# Altium PCB Netscale48HD_Sensorbar_Master.PcbDoc (part 4 of 5)
Units mil, origin at the board's own origin, x right, y up, seen from the top; angles counter-clockwise.
Board outline 18271.78 x 661.42 mil, 6 copper layers (Top Layer, PWR_Layer, Top_Signal_Layer, Bottom_Signal_Layer, GND_Layer, Bottom Layer), stack 30.644 mil thick; 300 components, 206 nets, 1127 pads, 560 vias.
Unrouted connection lines stored in the file: 11.
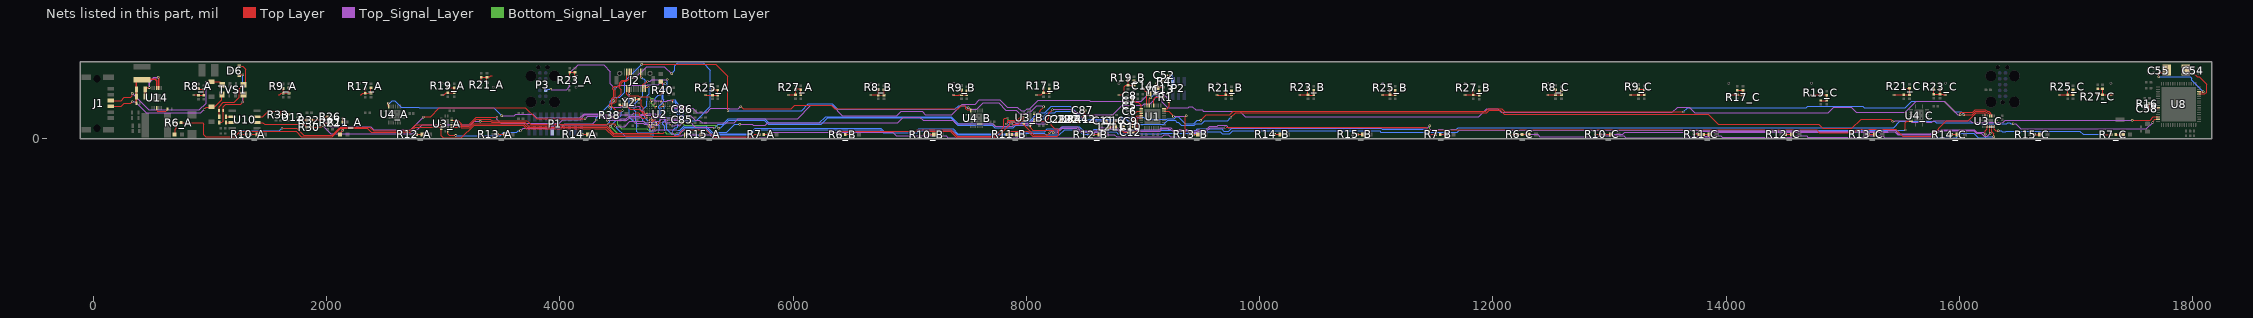
[diagram p8: the nets of this part, all layers, seen from the top]

## Via types
v1: diameter 19.68, hole 11.81, Top Layer to Bottom Layer, tented both sides, 265 vias
v2: diameter 21.65, hole 11.81, Top Layer to Bottom Layer, tented both sides, 108 vias
v3: diameter 9.84, hole 3.94, Top Layer to Bottom Layer, tented both sides, 103 vias
v4: diameter 19.68, hole 7.87, Top Layer to Bottom Layer, tented both sides, 51 vias
v5: diameter 23.62, hole 11.81, Top Layer to Bottom Layer, tented both sides, 24 vias
v6: diameter 21.65, hole 11.81, Top Layer to Bottom Layer, tented bottom, 9 vias

## Nets (pads, with @x,y where several pads share a name; then routed paths per layer and width w, separated by ;. In a path a pad name is that pad's centre, name@x,y a point inside that pad or via, vN(x,y) a via of type N, cw(c..) or ccw(c..) an arc to the next point about the centre after c; other vN are vias at no path point) (continued)
Led5_B: R11_B.1 U3_B.4 | length 1210.3
  Top Layer w6: v1(7828.45,127.6) 7828.45,127.68 7841.74,140.97 7841.74,154.35 7846.78,159.39 7920.47,159.39 7950.7,189.63 7978.19,189.63 U3_B.4@7978.44,189.88 ; R11_B.1@7834,37.44 7860.23,63.67 8012.11,63.67 8052.72,23.06 8262.93,23.06 8275.54,35.68 8275.54,72.76 8263.54,84.76 8245.21,84.76 8213.8,116.17 v1(8213.8,141.33)
  Top_Signal_Layer w6: v1(7828.45,127.6) 7848.34,147.49 7893.54,147.49 7909.11,131.92 8034.73,131.92 8051.69,148.88 8127.11,148.88 8127.81,148.19 8180.73,148.19 8187.59,141.33 v1(8213.8,141.33)
Led5_C: R11_C.1 U3_C.4 | length 2674.1
  Top Layer w6: v1(13720,42) 13761.65,42 R11_C.1@13766.25,37.4 ; v2(16220.17,40.95) 16220.33,41.11 16220.33,70.45 16238.05,88.17 U3_C.4@16238.05,104.95
  Top_Signal_Layer w6: v1(13720,42) 13743.27,42 13767.98,66.7 15382.68,66.7 15388.64,72.67 15448.13,72.67 15475.92,44.87 15752.14,44.87 15780.17,72.9 15836.73,72.9 15843.16,79.33 16127.22,79.33 16147.94,58.61 16202.51,58.61 v2(16220.17,40.95)
Led6_A: R10_A.1 U3_A.5 | length 1896.6
  Top Layer w6: v1(1260.08,37.61) 1260.29,37.4 R10_A.1@1310.32,37.4 ; v1(1618.53,90.8) 1746.61,90.8 1805.82,31.59 2047.44,31.59 2117.24,101.39 2369.4,101.39 2403.43,67.36 2711.5,67.36 2738.94,94.8 2764.22,120.08 U3_A.5@2984.2,120.08
  Bottom Layer w6: v1(1260.08,37.61) 1261.46,38.99 1261.46,56.46 1274,69 1596.73,69 v1(1618.53,90.8) v1@1618.91,90.42
Led6_B: R10_B.1 U3_B.5 | length 962.4
  Top Layer w6: R10_B.1@7125.54,37.05 7152.52,64.02 7347.34,64.02 7402.21,9.16 7745.22,9.16 7855.47,119.4 7855.47,134.63 7868.32,147.49 7933.61,147.49 7956.32,170.2 U3_B.5@7978.44,170.2
Led6_C: R10_C.1 U3_C.5 | length 3575.3
  Top Layer w6: v1(12879.03,37.4) R10_C.1@12919.11,37.4 ; U3_C.5@16257.73,104.95 16257.73,52.02 v2(16262.06,47.69)
  Top_Signal_Layer w6: v1(12879.03,37.4) 13114.35,37.4 13131.68,54.73 13634.73,54.73 13668.05,21.41 13850.39,21.41 13883.78,54.8 15387.61,54.8 15393.49,60.68 15443.28,60.68 15470.99,32.97 15757.07,32.97 15785.1,60.99 15841.66,60.99 15848.09,67.43 16122.29,67.43 16143.01,46.7 16186.51,46.7 16211.99,21.21 16235.58,21.21 v2(16262.06,47.69)
Led7_A: R6_A.1 U3_A.6 | length 2434.7
  Top Layer w6: R6_A.1@753.29,139.17 937.72,139.17 949.74,127.15 949.74,35.16 965.21,19.69 1215.64,19.69 1261.2,65.25 1740.31,65.25 1785.88,19.69 2051.09,19.69 2121.8,90.39 2347.86,90.39 2382.79,55.46 2716.44,55.46 2761.73,100.75 2832.53,100.75 2832.89,100.39 2970.23,100.39 ; 2970.28,100.44 2970.33,100.39 U3_A.6@2984.2,100.39
Led7_B: R6_B.1 U3_B.6 | length 1769.7
  Top Layer w6: R6_B.1@6407.29,37.05 6407.29,60.59 6412.11,65.41 7054.93,65.41 7065.45,75.93 7352.27,75.93 7407.14,21.06 7727.79,21.06 7804.4,97.67 7804.4,167.72 7813.46,176.77 7835.54,176.77 v1(7837.51,178.74) ; v1(7874.51,127.17) 7933.83,127.17 7956.32,149.66 7977.59,149.66 U3_B.6@7978.44,150.51
  Bottom_Signal_Layer w6: v1(7837.51,178.74) 7837.51,172.21 7873.77,135.95 7873.77,127.91 v1(7874.51,127.17)
Led7_C: R6_C.1 U3_C.6 | length 4376.4
  Top Layer w6: v1(12154.94,37.4) R6_C.1@12210.23,37.4 ; U3_C.6@16277.42,104.95 16277.42,60.24 16292.02,45.64 v2(16292.02,17.32)
  Top_Signal_Layer w6: v1(12154.94,37.4) 12382.09,37.4 12401.82,17.67 12899.26,17.67 12906.17,24.58 13122.36,24.58 13137.44,9.5 13855.32,9.5 13870.41,24.59 13953.25,24.59 13966.24,11.61 14561.52,11.61 14574.5,24.58 14688.8,24.58 14698.13,15.25 15168.23,15.25 15177.57,24.59 15342.56,24.59 15357.99,9.16 15766.94,9.16 15773.92,16.14 v1(15793.65,16.14)
  Bottom Layer w6: v1(15793.65,16.14) 15800.53,9.27 15973.2,9.27 16012.8,48.87 16121.29,48.87 16160.95,9.2 16221.43,9.2 16229.55,17.32 v2(16292.02,17.32)
Led8_A: R7_A.1 U3_A.7 | length 2935.9
  Top Layer w6: U3_A.7@2984.2,80.71 2984.2,26.37 3001.32,9.25 3157.51,9.25 3265.76,117.5 3684.82,117.5 3714.48,87.84 4391.55,87.84 4458.32,21.06 5015.81,21.06 5034.47,39.72 5034.47,51.77 5059.8,77.1 5257,77.1 5318.11,16 5648.27,16 5669.49,37.22 R7_A.1@5709.52,37.22
Led8_B: R7_B.1 U3_B.7 | length 3792.4
  Top Layer w6: U3_B.7@7978.44,124.92 7978.44,118.95 8062.4,34.99 8182.99,34.99 8201.19,53.19 v1(8201.19,55) ; U3_B.7@7978.44,130.83 U3_B.7@7984.35,130.83 ; v2(11456.79,25.59) 11456.79,29.83 11466.39,39.42 11507.36,39.42 R7_B.1@11509.38,37.4
  Top_Signal_Layer w6: v1(8201.19,55) 8207.97,55 8223.45,70.48 8268.68,70.48 8301.95,103.75 8434.5,103.75 8467.79,70.46 8603.69,70.46 8627.65,94.42 8779.77,94.42 8797.84,76.35 9136.68,76.35 9156.58,96.24 9222.24,96.24 9222.35,96.13 9239.66,96.13 9259.27,76.53 9308.88,76.53 9314.86,82.51 9380.51,82.51 9394.45,68.57 9461.23,68.57 9469,76.35 9539.07,76.35 9570.76,108.04 9636.91,108.04 9645.26,116.39 9711.41,116.39 9731.06,96.74 11441.72,96.74 v1(11456.79,111.81)
  Bottom_Signal_Layer w6: v2(11456.79,25.59) v1(11456.79,111.81)
Led8_C: R7_C.1 U3_C.7 | length 1047.6
  Top Layer w6: U3_C.7@16297.1,104.95 16297.15,105 16297.5,104.65 16297.5,82.72 16309.77,70.45 v1(16331.99,70.45) ; v1(17238.11,37.4) 17238.55,36.97 R7_C.1@17298.6,36.97
  Bottom Layer w6: v1(16331.99,70.45) 16355.2,70.45 16365.07,60.58 16394.86,60.58 16400.92,66.64 17032.34,66.64 17061.58,37.4 v1(17238.11,37.4)
LEDblue: R40.1 U2.B4 | length 140.2
  Top Layer w6: U2.B4@4807.6,298.43 4807.84,298.43 4817.68,308.27 v3(4817.92,308.27) ; v3(4861.39,375.65) 4862.12,376.39 4862.12,378.54 4879.66,396.08 4881.22,396.08 R40.1@4881.22,397.64
  Bottom Layer w6: v3(4817.92,308.27) 4817.92,348.14 4845.43,375.65 v3(4861.39,375.65)
LedCLK_A: U2.M2 U3_A.11 U3_B.11 U3_C.11 | length 14139.3
  Top Layer w6: U3_A.11@3074.75,100.39 3124.49,100.39 3130.84,106.75 3146.38,106.75 3156.06,97.06 3228.49,97.06 3260.83,129.4 3689.75,129.4 3719.41,99.74 4396.48,99.74 4463.25,32.97 v3(4783.88,32.97) ; U2.M2@4768.23,101.58 4768.23,101.41 4768.4,101.24 4768.57,101.24 v3@4784.02,85.78 ; U3_B.11@8068.99,150.51 8174.16,150.51 ; v1@8174.16,131.94 8174.16,150.51 ; v1(8224.12,248.76) 8193.46,218.09 8193.46,177.92 8174.16,158.61 8174.16,150.51 ; v2(16004.42,207.48) 16004.42,222.01 16011.48,229.06 16114.71,229.06 16135.19,249.54 16221.83,249.54 16235.88,235.49 16250.03,235.49 16277.42,208.11 U3_C.11@16277.42,196.96 ; U3_C.11@16274.51,198.41 16275.97,196.96 U3_C.11@16277.42,195.5
  Top_Signal_Layer w6: v3(4784.76,81.89) 4796.62,70.03 4822.77,70.03 4832.28,79.55 v3(5008.41,79.55) ; v1(5543.1,125.24) 5651.49,125.24 5658.62,118.12 5763.31,118.12 5782.95,137.76 6579.9,137.76 6580.64,138.5 6897.59,138.5 6945.82,186.73 7087.63,186.73 7114.97,159.39 7370.9,159.39 7400.03,130.26 7710.51,130.26 7732.35,108.42 7882.28,108.42 7893.88,120.02 8045.39,120.02 8062.35,136.98 8081.68,136.98 8090.41,128.25 v1(8174.16,128.25) ; v1@8220.74,252.76 8399.13,252.76 8438.85,213.04 8486.66,213.04 8493.76,205.93 8741.24,205.93 8822.96,287.66 8998.63,287.66 9010.61,299.64 9061.02,299.64 9099.06,337.68 9099.06,346.81 9118.47,366.21 9144.68,366.21 9165.6,345.29 9165.6,313.08 9213.1,265.58 9386.81,265.58 9397.55,276.32 9423.04,276.32 9451.23,248.13 9507.26,248.13 9517.1,238.28 9828.24,238.28 9878.27,188.25 11876.18,188.25 11945.23,257.3 12004.88,257.3 12005.14,257.03 12041.2,257.03 12072.09,226.14 13536.81,226.14 13583.51,272.84 13681.74,272.84 13728.9,225.67 14875.77,225.67 14919.29,269.19 15070.28,269.19 15112.71,226.76 15535.21,226.76 15630.54,322.09 15868.92,322.09 15983.43,207.58 15983.43,207.48 v2(16004.42,207.48)
  Bottom Layer w6: v3(4783.88,32.97) 4784.02,33.11 4784.02,81.15 v3(4784.76,81.89) ; v3(5008.41,79.55) 5013.85,74.11 5030.1,74.11 5066.26,110.28 5253.22,110.28 5306.61,56.88 5430.6,56.88 5498.96,125.24 v1(5543.1,125.24)
LedCLK_B: J2.19 U2.L2 | length 441.5
  Top Layer w6: J2.19@4732.28,431.1 4732.28,440.92 4735.19,443.83 v1(4761.21,443.83) ; v3(4757.99,111.42) 4758.98,111.42 4768.23,120.67 U2.L2@4768.23,121.26
  Bottom Layer w6: v3(4757.99,111.42) 4756.47,111.42 4711.18,156.71 4711.18,169.38 4699.28,181.28 4699.28,193.13 4712.66,206.51 4712.66,244.31 4717.29,248.94 4717.29,260.06 4725.39,268.16 4727.19,268.16 4744.25,285.22 4744.25,299.54 4744.12,299.67 4744.12,322.3 4751.96,330.14 4751.96,356.16 4751.25,356.87 4751.25,368.6 4767.83,385.19 v1@4767.83,442.91
LedDataIn_A: U2.M4 U3_A.14 | length 1953.5
  Top Layer w6: U3_A.14@3074.75,159.45 3127.35,159.45 3165.92,120.87 3218.62,120.87 3283.74,185.99 v1(3461.75,185.99) ; U2.M4@4807.6,101.58 4807.6,100.22 4812.09,95.73 4812.09,93.78 4819.01,86.87 v3(4819.01,85.83)
  Top_Signal_Layer w6: v1(3461.75,185.99) 3461.75,169.87 3496.03,135.58 3996.21,135.58 4025.05,164.42 4174.24,164.42 4214.39,204.57 4361.4,204.57 4376.59,189.37 v1(4461.92,189.37)
  Bottom_Signal_Layer w6: v1(4461.92,189.37) 4496.54,154.75 4496.54,120.5 4530.69,86.35 4747.53,86.35 4765.81,68.06 4806.23,68.06 4818.27,80.1 4818.27,85.09 v3(4819.01,85.83)
LedDataIn_B: U3_A.9 U3_B.14 | length 6088.3
  Top Layer w6: U3_A.9@3039.32,64.96 3039.32,44.15 3054.47,29 v2(3107.61,29) ; v1(4703.26,638.55) 5338.83,638.55 5441.34,536.05 v1(5441.34,241.73) ; U3_B.14@8068.99,209.57 8070.89,211.46 8084.45,211.46 8085.63,212.65 8097.75,212.65 8120.86,235.75 8120.86,244.24 8146.96,270.34 v2(8146.96,274.41)
  Top_Signal_Layer w6: v2(3663.09,68.87) 3687.13,92.9 4006.54,92.9 4042.01,128.37 4281.3,128.37 4313.42,160.49 v1(4313.42,161.02) ; v1(7501.25,266.54) 7502.33,266.54 7515.11,253.76 7573.59,253.76 7629.62,309.79 7761.83,309.79 7825.33,246.29 7912.6,246.29 7943.51,215.38 7997.59,215.38 8016.5,234.29 8038.1,234.29 8089.27,285.46 8131.66,285.46 8142.72,274.41 v2(8146.96,274.41)
  Bottom Layer w6: v2(3107.61,29) 3107.61,25.52 3107.35,25.26 3490.19,25.26 3520.99,56.06 3632.9,56.06 3645.72,68.87 v2(3663.09,68.87) ; v1(4313.42,161.02) 4313.42,181.55 4430.7,298.83 4430.7,320.09 4466.26,355.65 4516.1,355.65 4558.04,397.59 4558.04,493.33 v1(4703.26,638.55) ; v1(5441.34,241.73) 6072.88,241.73 6130.74,299.59 6334.6,299.59 6381.2,253 7387.73,253 7420.01,285.28 7472.29,285.28 7491.04,266.54 v1(7501.25,266.54)
LedDataIn_C: U3_B.9 U3_C.14 | length 8479.3
  Top Layer w6: U3_B.9@8033.56,109.17 8033.56,97.68 8055.65,75.59 8224.12,75.59 8229.14,70.57 8229.14,53.81 v1(8231.21,51.73) ; v1(9703.65,97.64) 11423.93,97.64 11445.64,75.93 14773.8,75.93 14796.66,53.07 15092.16,53.07 15121.81,82.72 15454.33,82.72 15513.79,23.26 15757.43,23.26 15887.54,153.38 16072.69,153.38 16144.91,225.59 16208.06,225.59 16218.36,215.28 U3_C.14@16218.36,195.5
  Top_Signal_Layer w6: v1(8231.21,51.73) 8266.77,51.73 8306.88,91.84 8429.57,91.84 8464.63,56.78 8606.85,56.78 8632.59,82.51 8774.84,82.51 8792.91,64.44 9141.61,64.44 9161.51,84.34 9217.31,84.34 9217.42,84.23 9234.73,84.23 9254.33,64.62 9313.81,64.62 9319.79,70.61 9375.58,70.61 9389.52,56.67 9466.16,56.67 9473.93,64.44 9544,64.44 9575.69,96.13 9702.14,96.13 v1(9703.65,97.64)
LedDataOut_C: U3_C.9
LEDDataOutMCU_B: J2.16 U2.K3 | length 939.6
  Top Layer w6: J2.16@4692.91,572.83 4692.91,532.85 v1(4699.38,526.38) ; U2.K3@4787.92,140.95 4805.14,158.17 4807.04,158.17 4807.09,158.22 4810.6,158.22 4817.09,164.71 4817.09,178.3 4815.03,180.35 v3(4815.03,200.39)
  Bottom Layer w6: v1(4699.38,526.38) 4711.15,514.61 4718.96,514.61 4732.3,501.28 4732.3,458.26 4710.35,436.31 4710.35,367.66 4639.48,296.8 4639.48,245.14 4653.31,231.32 4653.31,214.51 4651.66,212.85 4651.66,148.15 4659.09,140.72 4659.09,60.2 4665.47,53.82 4765.07,53.82 4770.93,59.68 4770.93,87.97 4783.72,100.76 4783.72,117.2 4791.89,125.38 4791.89,142.24 4806.98,157.33 4811.7,157.33 4819.84,165.47 4819.84,195.58 v3(4815.03,200.39)
LedLoad_A: U2.M3 U3_A.12 U3_B.12 U3_C.12 | length 14352.4
  Top Layer w6: U3_A.12@3074.75,120.08 3149.88,120.08 3160.99,108.97 3223.55,108.97 3284.32,169.73 3405.65,169.73 3422.17,153.21 3723.2,153.21 3752.84,123.57 4400.34,123.57 4405.32,128.56 4470.37,128.56 4477.67,121.25 v1(4477.67,105.12) ; U2.M3@4787.92,101.58 v3@4801.74,87.75 ; U3_B.12@8068.99,170.2 8105.73,170.2 v2(8128.06,192.52) ; v2(9493.8,157.72) 9542.89,206.81 9743.56,206.81 9772.49,235.74 11939.62,235.74 11961.18,257.3 12074.51,257.3 12101.53,230.28 v1(13631.8,230.28) ; v2(16037.12,206.53) 16109.01,206.53 16140.12,237.64 16216.9,237.64 16230.94,223.59 16243.52,223.59 16257.73,209.38 U3_C.12@16257.73,195.5
  Top_Signal_Layer w6: v1(4477.67,105.12) 4556.03,105.12 4599.73,148.82 4719.07,148.82 4731.13,136.76 4742.58,136.76 4742.97,137.15 4764.4,137.15 4772.18,144.93 4811.26,144.93 4811.75,145.42 4818.89,145.42 4823.03,149.56 4838.02,149.56 4853.01,149.56 4875.5,172.05 4886.95,172.05 4902.16,156.83 4906.37,156.83 4908.36,154.84 4919.91,154.84 4930.46,165.4 4952.05,165.4 4959.92,157.52 5016.9,157.52 5023.39,164.02 5074.15,164.02 5084.87,153.3 5109.75,153.3 5162.7,100.35 5314.28,100.35 5322.11,92.52 v1(5324.91,92.52)
  Bottom Layer w6: v1(4477.67,105.12) 4563.65,19.14 4798.96,19.14 4802.47,22.65 v3(4802.47,83.86) ; v1(5324.91,92.52) 5358.02,125.65 5397.31,125.65 5443.47,171.8 5755.9,171.8 5791.04,136.67 6224.75,136.67 6278.81,190.73 7357.6,190.73 7418.08,130.26 7711.39,130.26 7732.8,108.86 7836.22,108.86 7855.77,128.4 7855.77,134.93 7866.75,145.91 8022.84,145.91 8099.02,222.1 8128.33,222.1 ; v2(8128.06,192.52) 8128.33,192.79 8128.33,222.1 ; v2(9493.8,157.72) 9464.26,157.72 9434.64,128.1 9363.08,128.1 9303.93,187.25 9282.98,187.25 9269.3,173.57 9209.46,173.57 9204.66,168.78 9024.22,168.78 9007.02,185.97 8802.75,185.97 8784.28,167.5 8490.84,167.5 8441.07,217.27 8437.77,217.27 8376.43,278.62 8214.16,278.62 8157.64,222.1 8128.33,222.1 ; v1(13631.8,230.28) 13668.91,267.39 14684.71,267.39 14698.42,281.1 15170.93,281.1 15184.64,267.39 15534.54,267.39 15589.65,322.5 15869.6,322.5 15960.09,232.02 16015.59,232.02 16037.12,210.49 v2(16037.12,206.53)
LedLoad_B: J2.17 U2.L3 | length 775.4
  Top Layer w6: J2.17@4712.6,431.1 4712.6,464.26 4718.47,470.13 4721.32,470.13 4722.69,471.5 4729.5,471.5 v1(4752,494) ; v3(4778.06,131.1) U2.L3@4787.92,121.26
  Top_Signal_Layer w6: v1@4761.21,493.21 4773.89,493.21 4788.55,507.87 v1(4922.55,507.87) ; v3(4778.06,131.1) 4798.41,131.1 4811.74,117.77 4841.9,117.77 v3(4859.17,135.04)
  Bottom Layer w6: v3(4859.17,135.04) 4858.43,135.77 4858.43,139.13 4856.96,140.6 4856.96,155.01 4859.61,157.66 4859.61,204.5 4858.62,205.49 4858.62,251.83 4847.78,262.67 4847.78,278.57 4862.07,292.87 4864.11,292.87 4880.65,309.41 4880.65,312.84 4892.61,324.8 4892.61,336.25 4888.34,340.52 4888.34,408.66 4922.55,442.86 v1(4922.55,507.87)
MISO_A: U1.23 U2.A12 | length 5307.2
  Top Layer w6: U2.A12@4965.08,318.11 4965.08,319.47 4970.4,324.79 4970.4,335.23 v3(4971.14,335.96) ; U1.23@9179.98,238.19 9182.49,235.68 9222.6,235.68 9261.13,197.15 v2(9261.13,193.31) ; v1(9347.35,16.14) 9347.35,21.09 9347.26,21.17 9362.76,36.67 9362.76,190.21 v1(9370.57,198.03)
  Top_Signal_Layer w6: v3(4958.24,60.63) 4958.24,58.57 4989.25,27.56 5045.77,27.56 5055.2,36.98 5286.59,36.98 5314.38,9.19 5779.68,9.19 5824.91,54.43 6614.42,54.43 6615.16,55.17 6853.35,55.17 6883.74,24.77 7312.4,24.77 7328.02,9.16 7917.71,9.16 7933.33,24.77 7972.51,24.77 7988.13,9.16 8626.58,9.16 8652.31,34.89 8755.11,34.89 8773.18,16.82 9161.34,16.82 9181.24,36.71 9197.58,36.71 9197.8,36.5 9215.11,36.5 9235.47,16.14 v1(9347.35,16.14) ; v2(9261.13,193.31) 9263.49,195.67 9368.21,195.67 v1(9370.57,198.03)
  Bottom Layer w5: v3(4971.14,335.96) 4982.55,335.96 4987.85,335.96 4995.28,328.53 4995.28,322.41 4995.78,321.91 4995.78,321.44 5004.17,313.05 5004.17,309.06 5032.52,280.72
  Bottom Layer w6: v3(4958.24,60.63) 4990.99,93.38 5004.72,93.38 5012.82,101.48 5012.82,118.59 5010.5,120.9 5010.5,138.62 5017.5,145.62 5021.83,145.62 5059.87,183.66 5059.87,253.37 5032.52,280.72
MISO_B: J2.5 U2.L4 | length 494.4
  Top Layer w6: J2.5@4594.49,431.1 4594.74,430.85 4594.74,389.26 v1(4595,389) ; v3(4798.14,111.81) U2.L4@4807.6,121.26
  Top_Signal_Layer w6: v3(4645.26,134.99) 4716.06,134.99 4726.2,124.86 4747.51,124.86 4747.9,125.24 4763.71,125.24 4776.96,112 v3@4799.32,112
  Bottom Layer w6: v1(4595,389) 4595,185.25 4616.94,163.32 v3(4645.26,134.99)
MOSI_A: U1.24 U2.A3 | length 5047.3
  Top Layer w6: v3(4781,334.46) 4781.73,333.73 4781.73,325.65 4787.92,319.47 U2.A3@4787.92,318.11 ; U1.24@9179.98,257.87 9206.46,257.87 9226.08,277.48 9226.08,304.32 9220.58,309.82 v2(9220.58,319.68)
  Top_Signal_Layer w6: v3(4781,334.46) 4807.99,334.46 4817.15,325.29 4859.33,325.29 4868.5,316.13 4884.44,316.13 4891.55,323.24 4916.5,323.24 4925.56,332.3 v3(4955.34,332.3) ; v3(5027.91,195.94) 5073.17,195.94 5079.93,202.7 5117.43,202.7 5160.48,159.65 5197.7,159.65 5220.98,136.37 5494.04,136.37 5531.15,173.48 6038.06,173.48 6152.26,287.69 6334.09,287.69 6423.13,198.64 6890.38,198.64 6926.1,234.35 7107.35,234.35 7134.7,207.01 7360.61,207.01 7450.8,297.19 7561.22,297.19 7597.62,333.6 7771.7,333.6 7835.19,270.1 7923.73,270.1 7954.64,239.19 7987.72,239.19 8006.64,258.1 8028.23,258.1 8100.74,330.61 8538.67,330.61 8545.9,323.38 8983.83,323.38 9069.27,408.81 9152.59,408.81 9220.58,340.83 v2(9220.58,319.68)
  Bottom Layer w5: v3@4955.34,332.21 4969.01,318.54 4983.73,318.54 4984.88,317.39 4984.88,316.93 4993.26,308.54 4993.26,301.5 4999.29,295.47 4999.29,288.35 5005.31,282.32
  Bottom Layer w6: v3@4955.34,332.21 v3(4955.34,332.3) ; 5005.31,282.32 5005.31,240.2 5027.28,218.24 5027.28,196.57 v3(5027.91,195.94)
MOSI_B: J2.3 U2.C5 | length 409.6
  Top Layer w6: J2.3@4574.8,431.1 4574.8,382.68 4587.82,369.67 4672.58,369.67 4679.66,362.6 v3(4765.47,362.6) ; v3(4816.93,265.16) 4816.93,268.38 U2.C5@4827.29,278.74
  Bottom_Signal_Layer w6: v3(4765.47,362.6) 4779.02,349.05 4797.27,349.05 4801.2,345.12 4801.2,332.27 4783.68,314.75 4783.68,303.27 4798.57,288.38 4799.21,288.38 4808.9,278.69 4808.9,274.22 4816.93,266.2 v3(4816.93,265.16)
NetC5_2: C5.2 C6.2 FB1.1 U1.2 | length 184.4
  Top Layer w6: C5.2@8905.49,281.95 8905.49,238.2 FB1.1@8905.49,195 8907.46,195 8950.65,238.19 U1.2@8985.1,238.19
NetC7_2: C7.2 C8.2 U1.1 | length 169.9
  Top Layer w6: C8.2@8905.49,370.9 8905.49,326.77 C7.2@8907.1,326.77 8923.36,326.77 8938.28,311.86 8961.22,311.86 8985.1,287.98 U1.1@8985.1,257.87
NetC9_2: C9.2 C10.2 U1.3 U1.4 | length 166.7
  Top Layer w6: C10.2@8905.49,105 8913.12,112.63 8913.12,147.57 C9.2@8915.55,150 8915.55,163.72 8950.65,198.82 U1.4@8985.1,198.82 U1.3@8985.1,218.5
NetC11_2: C11.2 C16.2 L1.2 L2.1 | length 174.2
  Top Layer w6: C11.2@8684.37,155.95 8707.03,133.29 8707.03,103.19 L1.2@8760,103.19 ; L1.2@8759.96,103.15 L1.2@8760,103.19 ; L1.2@8760.49,103.58 8760.1,103.19 L1.2@8760,103.19 ; C16.2@8772.96,156.24 8768.18,151.46 8768.18,111.37 8760.49,103.68 L1.2@8760,103.19
NetC12_1: C12.1 L1.1 | length 93.2
  Top Layer w6: L1.1@8827.03,102.19 8827.03,103.02 L1.1@8826.89,103.15 8826.89,63.01 8834.9,55 C12.1@8875.61,55
NetC12_2: C12.2 U1.5 | length 180.3
  Top Layer w6: C12.2@8914.98,55 8920.1,60.12 8935.79,60.12 8950.65,74.98 8950.65,175.32 8954.47,179.13 U1.5@8985.1,179.13
NetC21_2: C21.2 C22.2 R2.2 R3.1 R41.1 | length 196.8
  Top Layer w6: C21.2@8253.27,147.76 8300.77,147.76 8301.08,148.07 8345.4,148.07 8395.77,148.07 R41.1@8449.93,148.07
NetC31_A_2: C31_A.2 C33_A.2 C34_A.2 R8_A.2 U5_A.1 | length 186
  Top Layer w6: U5_A.1@871.93,377.24 898.99,377.24 C31_A.2@902.18,374.05 C33_A.2@947.17,374.05 947.17,421.13 C34_A.2@956.95,430.91 ; R8_A.2@902.96,430.91 910.44,423.43 C34_A.2@948.35,423.43
NetC31_B_2: C31_B.2 C33_B.2 C34_B.2 R8_B.2 U5_B.1 | length 197.8
  Top Layer w6: U5_B.1@6677.03,376.88 6729,376.88 C31_B.2@6730.16,375.72 C31_B.2@6730.16,376.06 ; R8_B.2@6730.16,423.79 C31_B.2@6730.16,376.06 ; C33_B.2@6780.16,421.86 C34_B.2@6780.16,375.72 C31_B.2@6730.17,376.06
NetC31_C_2: C31_C.2 C33_C.2 C34_C.2 R8_C.2 U5_C.1 | length 196.3
  Top Layer w6: U5_C.1@12470.8,376.81 12535.43,376.81 12536.32,377.69 C31_C.2@12536.71,377.3 ; R8_C.2@12536.71,420.57 C31_C.2@12536.71,377.3 ; C34_C.2@12586.71,413.01 C33_C.2@12586.71,376.87 C31_C.2@12536.71,376.87 C31_C.2@12536.71,377.3
NetC32_A_2: C32_A.2 C35_A.2 C36_A.2 R17_A.2 U7_A.1 | length 190.6
  Top Layer w6: U7_A.1@2289.02,377.7 2300.1,377.7 2312.15,389.75 C32_A.2@2331.35,389.75 ; R17_A.2@2331.35,433.13 C32_A.2@2331.35,389.75 ; C35_A.2@2381.35,439.67 C36_A.2@2381.35,389.75 C32_A.2@2331.35,389.75
NetC32_B_2: C32_B.2 C35_B.2 C36_B.2 R17_B.2 U7_B.1 | length 182.8
  Top Layer w6: U7_B.1@8095.25,375.88 8126.26,375.88 8145.73,395.35 C32_B.2@8146.91,395.35 ; R17_B.2@8146.91,435.35 C32_B.2@8146.91,395.35 ; C36_B.2@8196.91,428.42 C35_B.2@8196.91,395.35 C32_B.2@8146.91,395.35
NetC32_C_2: C32_C.2 C35_C.2 C36_C.2 R17_C.2 U7_C.1 | length 214.6
  Top Layer w6: U7_C.1@14020.91,376.81 14094.29,376.81 C32_C.2@14094.35,376.87 R17_C.2@14142.1,376.87 ; C36_C.2@14094.35,418.01 C35_C.2@14144.35,418.01 R17_C.2@14144.35,374.62
NetC37_A_2: C37_A.2 C38_A.2 C40_A.2 R9_A.2 U6_A.1 | length 186.4
  Top Layer w6: U6_A.1@1584.63,377.35 1598.33,377.35 1610.73,389.75 C37_A.2@1628.74,389.75 ; R9_A.2@1628.74,430.93 C37_A.2@1628.74,389.75 ; C38_A.2@1678.74,437.82 1678.74,393.27 1675.21,389.75 C37_A.2@1628.74,389.75
NetC37_B_2: C37_B.2 C38_B.2 C40_B.2 R9_B.2 U6_B.1 | length 197.7
  Top Layer w6: U6_B.1@7374.05,375.64 U6_B.1@7374.85,375.64 ; U6_B.1@7375.12,375.92 U6_B.1@7374.85,375.64 ; R9_B.2@7444.74,418.91 C37_B.2@7444.74,375.84 ; C38_B.2@7489.74,413.91 C40_B.2@7489.74,375.84 C37_B.2@7444.74,375.84 ; U6_B.1@7374.85,375.64 7423.26,375.64 7423.93,376.31 7444.27,376.31 C37_B.2@7444.74,375.84
NetC37_C_2: C37_C.2 C38_C.2 C40_C.2 R9_C.2 U6_C.1 | length 217.2
  Top Layer w6: U6_C.1@13178.28,376.81 13226.74,376.81 13226.8,376.87 C37_C.2@13247.61,376.87 C40_C.2@13297.61,376.87 C38_C.2@13297.61,421.87 ccw(c13292.61,421.87) 13292.61,426.87 R9_C.2@13247.61,426.87
NetC39_A_2: C39_A.2 C42_A.2 C43_A.2 R19_A.2 U9_A.1 | length 199.4
  Top Layer w6: U9_A.1@2998.61,377.09 3008.43,377.09 3025.55,394.2 3038.35,394.2 C39_A.2@3039.37,395.23 C42_A.2@3094.37,395.23 C43_A.2@3094.37,436.37 R19_A.2@3039.37,435.86
NetC39_B_2: C39_B.2 C42_B.2 C43_B.2 R19_B.2 U9_B.1 | length 265.2
  Top Layer w6: U9_B.1@8801.58,376 8817.27,376 8840.19,398.92 8840.19,446.31 8852.74,458.86 C39_B.2@8871.63,458.86 ; R19_B.2@8871.63,503.86 C39_B.2@8871.63,458.86 ; C42_B.2@8921.63,496.93 C43_B.2@8921.63,458.86 C39_B.2@8871.63,458.86
NetC39_C_2: C39_C.2 C42_C.2 C43_C.2 R19_C.2 U9_C.1 | length 222.8
  Top Layer w6: U9_C.1@14729.46,376.81 14810.88,376.81 14810.92,376.77 R19_C.2@14810.97,376.72 C43_C.2@14860.97,376.72 ; C39_C.2@14810.1,329.51 C39_C.2@14810.97,328.65 C42_C.2@14857.89,328.65 ; C42_C.2@14860.97,331.72 C43_C.2@14860.97,374.79
NetC46_A_2: C46_A.2 C49_A.2 C50_A.2 R21_A.2 U11_A.1 | length 191
  Top Layer w6: C50_A.2@3325.95,488.81 C49_A.2@3325.95,529.96 C46_A.2@3376.9,529.96 ; R21_A.2@3375.95,481.57 C46_A.2@3375.95,529.01 C46_A.2@3376.9,529.96 ; U11_A.1@3422.32,541.32 3407.77,541.32 3398.97,532.52 3379.46,532.52 C46_A.2@3376.9,529.96
NetC46_B_2: C46_B.2 C49_B.2 C50_B.2 R21_B.2 U11_B.1 | length 201.9
  Top Layer w6: U11_B.1@9635.29,375.99 9636.01,375.99 9636.27,375.74 9707.76,375.74 C46_B.2@9708.55,376.53 ; C46_B.2@9707.77,377.55 C46_B.2@9708.55,376.76 ; R21_B.2@9708.55,419.92 C46_B.2@9708.55,376.76 ; C49_B.2@9758.55,410.74 9758.55,376.76 C46_B.2@9708.55,376.76
NetC46_C_2: C46_C.2 C49_C.2 C50_C.2 R21_C.2 U11_C.1 | length 239.2
  Top Layer w6: U11_C.1@15438.06,376.81 15520.45,376.81 C46_C.2@15521.17,376.09 15522.31,377.23 C50_C.2@15571.17,377.23 C49_C.2@15571.17,432.23 15571.17,432.55 R21_C.2@15521.17,432.55
NetC52_2: C52.2 P2.1 R4.1 | length 172.1
  Top Layer w6: R4.1@9164.06,492.13 9164.06,506.8 9202.09,544.83 9202.32,544.59 9230.81,544.59 v1(9232.4,546.19)
  Bottom Layer w6: v1(9232.4,546.19) 9248.74,546.19 9253.82,541.1 P2.1@9253.82,492.06
NetC53_A_2: C53_A.2 C56_A.2 C57_A.2 R23_A.2 U13_A.1 | length 137.3
  Top Layer w6: C57_A.2@4081.94,529.01 4084.94,532.01 C56_A.2@4084.94,570.15 C53_A.2@4130.94,570.15 4129.8,569.01 4129.8,522.94 R23_A.2@4128.94,522.08
NetC53_B_2: C53_B.2 C56_B.2 C57_B.2 R23_B.2 U13_B.1 | length 208.1
  Top Layer w6: U13_B.1@10343.65,376.8 10380.99,376.8 10381.78,376.01 10412.51,376.01 C53_B.2@10413.37,376.87 ; R23_B.2@10413.37,422.18 C53_B.2@10413.37,376.87 ; C56_B.2@10463.37,416.87 C57_B.2@10463.37,376.87 cw(c10461.83,376.87) 10461.83,375.33 10413.37,375.33 C53_B.2@10413.37,376.87
NetC53_C_2: C53_C.2 C56_C.2 C57_C.2 R23_C.2 U13_C.1 | length 187.3
  Top Layer w6: C56_C.2@15779.67,430.46 C57_C.2@15779.67,380.58 C53_C.2@15832.98,380.58 15856.79,380.58 15860.85,376.52 15880.23,376.52 U13_C.1@15880.28,376.48 ; R23_C.2@15832.98,425.06 15832.98,414.82 15833.24,415.08 C53_C.2@15833.24,390.55
NetC54_2: C54.2 U8.61 Y3.1 | length 372.9
  Top Layer w6: Y3.1@17937.97,589.75 17962.46,565.27 C54.2@18005.29,565.27 18005.29,563.3 18036.6,531.99 18056.45,531.99 18118.63,469.8 18118.63,399.89 18103.3,384.55 U8.61@18053.52,384.55
NetC55_2: C55.2 U8.62 Y3.2 | length 596
  Top Layer w6: v1(17706.29,533.29) 17706.29,562.38 C55.2@17709.17,565.27 17752.07,565.27 Y3.2@17776.55,589.75 ; U8.62@18053.52,404.23 18089.11,404.23 v1(18089.97,403.38)
  Bottom Layer w6: v1(17706.29,533.29) 17707.04,532.54 17979.63,532.54 17990.8,521.37 17990.8,502.55 v1(18089.97,403.38)
NetC58_2: C58.2 R16.2 U8.26 | length 133.1
  Top Layer w6: C58.2@17627.22,257.97 R16.2@17627.22,302.27 17646.39,302.27 17682.21,266.44 U8.26@17701.16,266.44
NetC60_A_2: C60_A.2 C63_A.2 C64_A.2 R25_A.2 U15_A.1 | length 192.8
  Top Layer w6: U15_A.1@5249.38,375.65 5308.8,375.65 C64_A.2@5353.8,375.67 C63_A.2@5353.8,418.74 5353.8,419.06 R25_A.2@5308.8,419.06
NetC60_B_2: C60_B.2 C63_B.2 C64_B.2 R25_B.2 U15_B.1 | length 192.5
  Top Layer w6: U15_B.1@11052.28,376.01 11117.38,376.01 C60_B.2@11118.24,376.87 ; R25_B.2@11118.24,419.94 C60_B.2@11118.24,376.87 ; C64_B.2@11163.24,414.94 C63_B.2@11163.24,376.87 C60_B.2@11118.24,376.87
NetC60_C_2: C60_C.2 C63_C.2 C64_C.2 R25_C.2 U15_C.1 | length 207.3
  Top Layer w6: U15_C.1@16856.2,376.8 16927.74,376.8 C60_C.2@16928.16,377.23 ; R25_C.2@16928.16,425.3 C60_C.2@16928.16,377.23 ; C63_C.2@16972.14,419.27 C64_C.2@16972.14,377.23 ; C64_C.2@16973.16,377.23 C64_C.2@16972.14,377.23 ; C60_C.2@16928.16,377.23 C64_C.2@16972.14,377.23
NetC67_A_2: C67_A.2 C70_A.2 C71_A.2 R27_A.2 U17_A.1 | length 183.9
  Top Layer w6: U17_A.1@5969.22,376.93 6016.65,376.93 C67_A.2@6021.51,381.79 ; C67_A.2@6020.24,381.93 6020.81,382.49 C67_A.2@6021.51,381.79 ; R27_A.2@6021.51,422.42 C67_A.2@6021.51,381.79 ; R27_A.2@6021.51,427.42 6063.95,427.42 C71_A.2@6066.51,424.86 ; C70_A.2@6066.51,378.72 C71_A.2@6066.51,419.86
NetC67_B_2: C67_B.2 C70_B.2 C71_B.2 R27_B.2 U17_B.1 | length 203.8
  Top Layer w6: U17_B.1@11760.75,377.02 11830.38,377.02 C67_B.2@11831.53,375.87 ; R27_B.2@11831.53,419.25 C67_B.2@11831.53,375.87 ; C71_B.2@11881.53,412.01 C70_B.2@11881.53,373.94 ccw(c11879.6,373.94) 11879.6,375.87 C67_B.2@11831.53,375.87
NetC67_C_2: C67_C.2 C70_C.2 C71_C.2 R27_C.2 U17_C.1 | length 226.4
  Top Layer w6: R27_C.2@17185.29,382.13 C70_C.2@17222.76,382.13 ; C67_C.2@17185.29,419 C67_C.2@17185.29,428.75 C71_C.2@17226.3,428.75 17226.3,385.68 C70_C.2@17223.15,382.53 ; C70_C.2@17226.3,379.38 17228.88,376.8 U17_C.1@17298.31,376.8 17315.84,376.8
NetC68_1: C68.1 C69.1 U14.2 | length 340.4
  Top Layer w11.81: C68.1@446.98,362.24 C69.1@446.98,423.46 446.98,432.09 454.85,439.96 v2(479.81,439.96) ; v2(557.67,527.29) 563.74,521.22 563.74,436.82 U14.2@563.71,436.79 U14.2@563.71,434.86
  Top_Signal_Layer w11.81: v2(479.81,439.96) 479.81,484.69 520.55,525.42 v2@557.67,525.42
NetC68_2: C68.2 C69.2 D7.1 L10.1 U14.3 | length 444.3
  Top Layer w11.81: D7.1@371.04,305.71 371.04,362.4 371.04,498.06 383.72,510.74 533.34,510.74 544.02,500.06 U14.3@544.02,436.79 U14.3@544.02,430.79
NetC85_2: C85.2 U2.L11 | length 181.8
  Top Layer w6: U2.L11@4945.4,121.26 4945.64,121.26 4954.89,112 v3(4955.13,112) ; C85.2@5048.55,144.88 5042.4,138.73 5049.53,131.6 v3(5069.56,131.6)
  Top_Signal_Layer w6: v3(4955.13,112) 4984.23,112 4993.27,121.03 5010.37,121.03 5018.6,112.8 5030.05,112.8 5048.85,131.6 v3(5069.56,131.6)
NetC86_2: C86.2 U2.C11 | length 164.9
  Top Layer w6: U2.C11@4945.4,278.74 4945.4,278.54 4954.79,269.15 v3(4954.79,268.94) ; C86.2@5048.55,273.23 5048.55,271.75 5055.39,264.91 5067.88,264.91 v3(5068.61,264.17)
  Top_Signal_Layer w6: v3(4954.79,268.94) 4978.03,268.94 4984.37,262.6 5002.03,262.6 5014.97,275.54 5042.08,275.54 5053.45,264.17 v3(5068.61,264.17)
NetC87_2: C87.2 R41.2 R42.1 | length 114.2
  Top Layer w6: R41.2@8446.97,187.4 R42.1@8504.85,187.4 C87.2@8504.84,243.7
NetLED1_A_2: LED1_A.2 R6_A.2 | length 108.1
  Top Layer w8: LED1_A.2@698.56,37.4 702.11,40.95 702.11,80.48 713.92,92.29 R6_A.2@713.92,139.17
NetLED1_B_2: LED1_B.2 R6_B.2 | length 56.4
  Top Layer w6: R6_B.2@6446.66,37.05 6447.01,37.4 LED1_B.2@6502.39,37.4 ; LED1_B.2@6509.03,37.05 LED1_B.2@6509.39,37.4
NetLED1_C_2: LED1_C.2 R6_C.2 | length 56.1
  Top Layer w6: R6_C.2@12249.6,37.4 LED1_C.2@12305.71,37.4
NetLED2_A_2: LED2_A.2 R10_A.2 | length 58.6
  Top Layer w8: R10_A.2@1349.68,37.4 LED2_A.2@1408.3,37.4
NetLED2_B_2: LED2_B.2 R10_B.2 | length 45.6
  Top Layer w6: R10_B.2@7164.91,37.05 7165.27,37.4 LED2_B.2@7210.34,37.4
NetLED2_C_2: LED2_C.2 R10_C.2 | length 55.1
  Top Layer w6: R10_C.2@12958.48,37.4 LED2_C.2@13013.58,37.4
NetLED3_A_2: LED3_A.2 R11_A.2 | length 181.6
  Top Layer w6: LED3_A.2@2115.77,37.61 2115.66,37.72 2125.7,47.76 2125.7,59.23 v1(2139.02,72.55) ; R11_A.2@2139.02,143.85 2140.18,145.01 v1(2140.18,176.18)
  Bottom Layer w6: v1(2139.02,72.55) 2139.6,73.13 2139.6,175.6 v1(2140.18,176.18)
NetLED3_B_2: LED3_B.2 R11_B.2 | length 46.2
  Top Layer w6: R11_B.2@7873.37,37.44 7873.76,37.05 LED3_B.2@7919.42,37.05
NetLED3_C_2: LED3_C.2 R11_C.2 | length 49.8
  Top Layer w6: R11_C.2@13805.62,37.4 LED3_C.2@13855.41,37.4
NetLED4_A_2: LED4_A.2 R12_A.2 | length 51.4
  Top Layer w6: R12_A.2@2773.4,37.4 2824.45,37.4 LED4_A.2@2824.66,37.61
NetLED4_B_2: LED4_B.2 R12_B.2 | length 58.2
  Top Layer w6: R12_B.2@8570.32,37.05 8570.67,37.4 LED4_B.2@8628.34,37.4
NetLED4_C_2: LED4_C.2 R12_C.2 | length 56.9
  Top Layer w6: R12_C.2@14508.54,37.4 LED4_C.2@14565.43,37.4
NetLED5_A_2: LED5_A.2 R13_A.2 | length 67.6
  Top Layer w6: R13_A.2@3465.6,37.61 3465.81,37.4 LED5_A.2@3533.13,37.4
NetLED5_B_2: LED5_B.2 R13_B.2 | length 39.7
  Top Layer w6: R13_B.2@9430.39,38 LED5_B.2@9470.08,38
NetLED5_C_2: LED5_C.2 R13_C.2 | length 52.8
  Top Layer w6: R13_C.2@15221.25,37.36 15273.99,37.36 LED5_C.2@15274.03,37.4
NetLED6_A_2: LED6_A.2 R14_A.2 | length 49.4
  Top Layer w6: R14_A.2@4192.68,37.33 4242.02,37.33 LED6_A.2@4242.08,37.4
NetLED6_B_2: LED6_B.2 R14_B.2 | length 51.6
  Top Layer w6: R14_B.2@10128.17,37.4 LED6_B.2@10179.76,37.4
NetLED6_C_2: LED6_C.2 R14_C.2 | length 59.2
  Top Layer w6: R14_C.2@15923.57,36.97 R14_C.2@15930.46,36.97 15930.9,37.4 LED6_C.2@15982.62,37.4
NetLED7_A_2: LED7_A.2 R15_A.2 | length 196.5
  Top Layer w6: v1(5076.7,15.09) 5076.7,17.62 5080.14,21.06 5080.14,31.72 LED7_A.2@5084.11,35.7 ; v1@5201.94,22.25 5201.94,28.41 R15_A.2@5210.75,37.22 ; R15_A.2@5210.66,36.88 R15_A.2@5213.25,34.29
  Bottom Layer w6: v1(5076.7,15.09) 5076.7,33.26 5080.43,36.98 5176.6,36.98 v1(5198.49,15.09)
NetLED7_B_2: LED7_B.2 R15_B.2 | length 52.9
  Top Layer w6: R15_B.2@10835.34,37.4 LED7_B.2@10888.22,37.4
NetLED7_C_2: LED7_C.2 R15_C.2 | length 49.6
  Top Layer w6: R15_C.2@16641.34,36.97 16690.33,36.97 LED7_C.2@16690.76,37.4
NetLED8_A_2: LED8_A.2 R7_A.2 | length 45
  Top Layer w6: R7_A.2@5748.89,37.22 5793.65,37.22 LED8_A.2@5793.83,37.4
NetLED8_B_2: LED8_B.2 R7_B.2 | length 48.7
  Top Layer w6: R7_B.2@11548.75,37.4 LED8_B.2@11597.45,37.4
NetLED8_C_2: LED8_C.2 R7_C.2 | length 61.5
  Top Layer w6: R7_C.2@17337.97,36.97 17398.82,36.97 LED8_C.2@17399.25,37.4
NetLED9_2: LED9.2 R40.2 | length 61.4
  Top Layer w6: LED9.2@4866,492.13 4880.72,477.41 4880.72,437.51 R40.2@4881.22,437.01
NetR1_2: R1.2 U1.28 | length 145.2
  Top Layer w6: U1.28@9092.38,286.42 9092.57,286.6 9092.57,340.24 9107.33,355 R1.2@9173.56,355 R1.2@9173.56,350.82
NetR30_1: R30.1 U10.2 | length 444.6
  Top Layer w6: U10.2@1405.23,140 1454.15,140 1470.32,123.84 1809.41,123.84 R30.1@1833.25,100
NetR32_1: R32.1 U12.1 | length 86.4
  Top Layer w6: U12.1@1749.54,161.53 1826.8,161.53 R32.1@1833.26,155.08
NetR33_2: R33.2 U10.3 U12.4 | length 332
  Top Layer w6: U10.3@1405.63,189.17 1452.72,189.17 1501.02,237.47 1608.3,237.47 ; R33.2@1605.62,207 1608.3,209.68 1608.3,237.47 ; U12.4@1674.74,210.07 1671.2,210.07 1643.8,237.47 1608.3,237.47
NetR36_1: R36.1 U14.8 | length 131
  Top Layer w6: U14.8@544.02,265.84 544.02,265.02 544.59,264.45 544.02,263.89 544.02,242.94 550.75,236.22 623.21,236.22 638.57,251.58 R36.1@638.57,255.51
NetR38_2: R38.2 U2.H3 | length 452
  Top Layer w6: v1(4407.99,158.66) 4407.99,161.03 4428.47,181.51 R38.2@4428.47,181.89 ; v3(4787.38,200.94) 4787.65,200.67 4787.65,180.59 U2.H3@4787.92,180.32
  Top_Signal_Layer w6: v1(4407.99,158.66) 4575.9,158.66 4599.84,182.6 4685.2,182.6 4703.44,200.83 4743.76,200.83 4746.91,203.98 4765.09,203.98 4768.14,200.94 v3(4787.38,200.94)
NJTRST: P1.10 P3.9 U2.A7 | length 2350.9
  Top Layer w6: v1(4463.5,326.38) 4464.85,327.73 4464.85,345.22 4475.05,355.42 4475.05,428.95 v1(4473,431) ; U2.A7@4866.66,318.11 4866.66,318.26 4878.78,330.38 v3(4878.78,330.53)
  Top_Signal_Layer w6: v1(3921.88,426.38) 3925.75,422.5 4057.86,422.5 4087.16,451.81 4087.16,565.23 4156.4,634.46 4374.96,634.46 4432.49,576.93 4432.49,471.51 v1(4473,431) 4473.24,431 4474.02,430.21 4503.56,459.75 4627.42,459.75 4628.94,458.23 4749.1,458.23 4753.45,462.57 4844.06,462.57 4855.91,474.42 v1(4902.98,474.42)
  Bottom Layer w6: P3.9@3879.8,415.88 3890.29,426.38 v1(3921.88,426.38) ; P1.10@3937.16,94.92 3937.16,111.81 3946.04,120.69 4402.74,120.69 4426.73,144.69 4426.73,237.51 4447.21,257.98 4447.21,277.84 4445.93,279.12 4445.93,298.97 4463.5,316.54 v1(4463.5,326.38) ; v3(4878.78,330.53) 4876.44,332.87 4876.44,447.89 v1(4902.98,474.42)
OE1: U2.H1 U4_A.7 | length 2387
  Top Layer w6: v2(2531.36,307.09) 2531.36,278.54 U4_A.7@2533.32,276.58 ; v3(4639.48,225.59) 4678.2,225.59 4686.49,217.31 4686.49,197.97 4708.52,175.94 4725.47,175.94 4729.84,180.32 U2.H1@4748.55,180.32
  Top_Signal_Layer w6: v1(3503.21,197.84) 3610.04,197.84 3621.11,208.91 3766.87,208.91 3796.62,179.15 4172.14,179.15 4209.94,216.95 4367.76,216.95 4376.29,208.42 4622.31,208.42 v3(4639.48,225.59)
  Bottom Layer w6: v2(2531.36,307.09) 2543.17,307.09 2562.85,326.77 2584.62,326.77 2642.46,268.94 2789.39,268.94 2793.38,264.95 3436.09,264.95 v1(3503.21,197.84)
OE2: U2.J2 U4_B.7 | length 3046.1
  Top Layer w6: U2.J2@4768.23,160.63 4768.23,160.83 4778.06,170.66 v3(4778.06,170.87) ; v1(5550.32,277.95) 5571.46,256.81 5983.39,256.81 6014.26,287.69 6328.47,287.69 6359.34,256.81 7414.91,256.81 7443.38,285.28 7471.26,285.28 7482.37,274.17 7482.37,258.9 7493.48,247.79 7520.97,247.79 7523.48,245.28 U4_B.7@7523.48,244.57
  Top_Signal_Layer w6: v3(4778.06,170.87) 4779.1,170.87 4794.8,186.56 4832.57,186.56 4841.86,195.86 4896.81,195.86 4910.04,182.63 4951.66,182.63 4962.93,171.35 v3(5011.17,171.35) ; v3(4991.27,276.43) 4992.01,277.17 4999.76,277.17 5014.6,292.01 5042.45,292.01 5056.46,278 5074.34,278 5090.11,262.23 5142.09,262.23 5178.86,225.45 5259.77,225.45 5294.8,260.48 5449.1,260.48 5453.17,256.42 5528.78,256.42 v1(5550.32,277.95)
  Bottom Layer w6: v3(4991.27,276.43) 4991.27,231.79 5012.76,210.3 v3@5012.76,170.87
OE3: U2.J3 U4_C.7 | length 11179.8
  Top Layer w6: U2.J3@4787.92,160.63 4789.28,160.63 4799.84,171.19 v3(4806.01,171.19) ; v1@15534.69,75.59 15534.69,136.52 15548.49,150.32 U4_C.7@15584.55,150.32
  Top_Signal_Layer w6: v3(4806.01,171.19) 4809.46,174.65 4837.49,174.65 4846.79,183.95 4891.88,183.95 4906.6,169.24 4913.56,169.24 v3(4914.13,168.67)
  Bottom Layer w6: v3(4914.13,168.67) 4914.13,167.63 4910.46,163.96 4910.46,139.53 4919.06,130.93 4919.06,80.26 4960.76,38.56 5025.66,38.56 5073.56,86.46 5243.35,86.46 5296.75,33.07 5633.36,33.07 5678.83,78.54 6748.71,78.54 6773.75,53.5 7065.02,53.5 7081.54,70.02 7371.63,70.02 7408.67,32.98 7911.46,32.98 7927.06,48.58 8153.87,48.58 8169.47,32.98 8283.96,32.98 8330.92,79.94 8445.41,79.94 8484.52,40.83 8575.23,40.83 8593.09,58.7 8770.31,58.7 8784.73,44.28 9159.23,44.28 9163.57,48.62 9464.4,48.62 9476.75,60.97 9663.29,60.97 9681.09,43.17 9744.41,43.17 9770.27,69.04 11027.47,69.04 11039.16,57.35 11695.81,57.35 11711.11,72.65 15533.77,72.65 v1(15536.7,75.59)
OE4: J2.4 U2.K2 | length 851.9
  Top Layer w6: v1(4428.46,270.08) 4428.46,298.39 4444.75,314.68 4444.75,341.95 4463.14,360.35 4463.14,414.34 4454.25,423.23 4454.25,438.77 4465.23,449.75 4497.78,449.75 4515.34,467.32 4515.34,482.15 4537.35,504.16 4564.74,504.16 4575.35,514.78 4575.35,572.28 J2.4@4574.8,572.83 ; v3(4758.68,150.98) 4758.68,150.74 4768.23,141.18 U2.K2@4768.23,140.95
  Top_Signal_Layer w6: v1(4428.46,270.08) 4428.7,269.83 4521.08,269.83 4524.46,273.21 4661.53,273.21 4669.44,281.12 4680.89,281.12 4689.43,272.58 4689.43,255.69 4706.54,238.58 v3(4726.49,238.58)
  Bottom Layer w6: v3(4726.49,238.58) 4726.93,238.14 4726.93,182.07 4758.02,150.98 v3(4758.68,150.98)
OE5: J2.6 U2.K5 | length 1246.2
  Top Layer w6: v1(4537.12,242.52) 4484.23,242.52 4445.93,280.82 4445.93,296.35 4456.91,307.33 4470.96,307.33 4482.59,318.96 4482.59,341.69 4527.48,386.58 4527.48,419.66 4510.6,436.54 4510.6,445.74 4527.25,462.38 4527.25,476.42 4542.99,492.16 4569.57,492.16 4594.41,516.99 4594.41,576.15 4594.49,576.23 J2.6@4594.49,572.83 ; v3(4817.64,131.6) 4817.79,131.6 4827.14,140.95 U2.K5@4827.29,140.95
  Bottom_Signal_Layer w6: v1(4432.48,107.09) 4492.77,46.8 4839.3,46.8 4847.4,54.9 4847.4,57.16 4852.48,62.24 v3(4852.48,63.28)
  Bottom Layer w6: v1(4432.48,107.09) 4529.14,203.74 4529.14,226.76 v1@4544.94,242.56 ; v3(4817.64,131.6) 4832.89,131.6 4852.48,112.01 v3(4852.48,63.28)
OE6: J2.8 U2.L5 | length 1734.1
  Top Layer w6: J2.8@4614.17,572.83 4615.08,571.93 4615.08,523.34 v1(4615.98,522.44) ; U2.L5@4827.29,121.26 4829.73,121.26 4833.13,124.66 4833.34,124.66 4839.83,131.15 4839.83,131.36 4854.8,146.33 v3(4870.79,146.33)
  Top_Signal_Layer w6: v1@4624.42,522.44 4647.34,522.44 4744.7,619.8 4897.57,619.8 v1(4958.73,558.65) ; v3(4870.79,146.33) 4871.52,145.6 4874.29,145.6 4875.5,144.39 4889.44,144.39 4889.98,144.93 4901.43,144.93 4908.62,137.75 4942.55,137.75 4947.82,143.01 5007.95,143.01 v3(5024.33,126.63)
  Bottom Layer w6: v1(4958.73,558.65) 4986.07,585.99 4986.07,626.74 5010.12,650.79 5230.45,650.79 5291.81,589.42 5291.81,277.51 5168.05,153.74 5065.29,153.74 5038.25,126.71 5024.4,126.71 v3(5024.33,126.63)
OSCIN: C14.2 U1.31 Y1.3 | length 182.1
  Top Layer w6: C14.2@9005.49,438.2 9005.49,423.82 9019.31,410 9023.57,410 9040.87,392.7 Y1.3@9040.87,385.49 ; U1.31@9033.32,286.42 9033.32,370.72 9040.87,378.27 Y1.3@9040.87,385.49 ; Y1.3@9050.1,387.41 9042.8,387.41 Y1.3@9040.87,385.49
OSCOUT: C13.2 U1.30 Y1.1 | length 316.8
  Top Layer w6: U1.30@9053.01,286.42 9053.01,344.28 9056.53,347.79 9064.43,347.79 v2(9067.43,350.79) ; v2(9117.03,476.51) Y1.1@9117.03,438.59 9121.94,443.5 C13.2@9172.6,443.5
  Bottom Layer w6: v2(9067.43,350.79) 9067.43,351.03 9117.03,400.63 v2(9117.03,476.51)
PH0/OSCIN: C47.1 U2.F1 Y2.3 | length 219.2
  Top Layer w6: Y2.3@4627.81,341.08 4674.34,341.08 C47.1@4676.25,339.17 4689.65,339.17 4698.1,330.73 4698.1,283.07 4714.33,266.83 4714.33,232.18 4726.82,219.69 U2.F1@4748.55,219.69
PH1/OSCOUT: C48.1 U2.G1 Y2.1 | length 272.7
  Top Layer w6: C48.1@4513.64,291.34 4515.08,289.9 Y2.1@4560.88,289.9 4564.82,289.9 4602.41,252.31 4616.94,252.31 4681.26,252.31 4733.57,200 U2.G1@4748.55,200
RS485_0_N: D5.2 J1.3 TVS1.5 | length 1097.7
  Top Layer w8: J1.3@156.66,277.48 239.58,277.48 267.81,305.71 322.03,305.71 v1(335.81,319.49) ; v1(950.79,251.97) 970.87,272.05 1013.73,272.05 D5.2@1015.14,273.46 1042.61,273.46 1065.67,296.52 1103.87,334.72 TVS1.5@1103.87,381.24
  Top_Signal_Layer w8: v1(335.81,319.49) 358.63,319.49 455.49,222.63 917.91,222.63 918.11,222.83 921.65,222.83 v1(950.79,251.97)
RS485_0_P: D4.2 J1.4 TVS1.4 | length 1252.2
  Top Layer w8: J1.4@156.66,327.48 239.58,327.48 267.81,355.71 322.96,355.71 335.81,368.56 v1(335.81,390.75) ; v1(967.56,487.66) 1014.21,487.66 D4.2@1015.14,488.58 1084.8,488.58 TVS1.4@1099.93,473.45
  Top_Signal_Layer w8: v1(335.81,390.75) 476.81,249.75 910.78,249.75 967.56,306.53 v1(967.56,487.66)
RS485_1_N: D6.1 R31.2 R34.2 TVS1.8 | length 712.6
  Top Layer w8: R34.2@1080.04,140.16 1104.07,140.16 1114.69,150.78 R31.2@1114.69,243.7 R31.2@1114.69,245.67 ; TVS1.8@1283.99,388.78 1284.48,388.78 1284.48,316.36 v1(1283.4,315.27) 1282.13,315.27 1263.46,296.61 1247.14,296.61 1135.65,296.6 1114.69,275.64 R31.2@1114.69,247.64 ; R31.2@1114.69,245.67 1110.81,241.8 1110.81,251.51 R31.2@1114.69,247.64 ; R31.2@1114.69,245.67 R31.2@1114.69,247.64
  Top Layer w15: D6.1@1252.49,547.36 1255.28,550.15 v1(1284.48,550.15)
  Bottom Layer w8: v1(1283.4,315.27) 1283.4,549.07 v1(1284.48,550.15)
RS485_1_P: D6.2 R29.2 R31.1 TVS1.1 | length 618.2
  Top Layer w8: R29.2@1079.65,199.21 1079.65,235.89 1079.12,236.42 1075.91,236.42 1079.58,240.09 1079.58,276.78 1116.29,313.49 1207.32,313.49 1242.06,348.24 1243.59,348.24 1253.41,358.07 1253.41,429.7 1309.33,485.62 1309.33,595.03 1282.2,622.17 D6.2@1252.49,622.17
RS485_2_N: R34.1 U10.7 | length 43.5
  Top Layer w8: R34.1@1139.1,139.67 U10.7@1169.82,139.67
  Top Layer w15: U10.7@1169.82,139.67 1170.31,139.17 U10.7@1182.4,139.17
RS485_2_P: R29.1 U10.6 | length 56.3
  Top Layer w8: R29.1@1139.1,189.08 1170.6,189.08 U10.6@1182.31,189.08
  Top Layer w15: U10.6@1169.82,189.96 1170.6,189.17 1182.4,189.17 U10.6@1182.31,189.08
RS485_BE: R26.1 R32.2 U2.C8 U8.30 | length 16679.1
  Top Layer w6: R32.2@1872.63,157.05 1881.1,165.52 v1(1967.7,165.52) 1992.18,190 R26.1@2011.67,190 ; v2(2830.28,187.01) 2834.36,191.09 2891.79,191.09 2967.79,267.09 3705.23,267.09 3801.06,171.26 v1(4216.25,171.26) ; v3(4861.61,272.85) 4862.65,272.85 4868.54,278.74 U2.C8@4886.34,278.74 ; v1(9753.86,183.19) 9754.21,183.19 9794.85,223.83 11944.56,223.83 11966.11,245.39 12062.21,245.39 12096.07,211.53 13844.02,211.53 13931.81,123.74 14793.27,123.74 14828.22,88.79 15077.37,88.79 15155.41,166.83 15408.25,166.83 v1(15427,148.08) ; v1(17480.58,159) 17633.09,159 17661.79,187.7 U8.30@17701.16,187.7
  Top_Signal_Layer w6: v1(1967.7,165.52) 2030.35,102.87 2379.57,102.87 2403.17,79.27 2722.54,79.27 v2(2830.28,187.01) ; v1(4216.25,171.26) 4216.25,169.54 4217.29,168.5 4241.44,192.66 4252.57,192.66 4356.47,192.66 4371.66,177.46 4447.32,177.46 4454.16,170.62 4571.03,170.62 4594.9,194.5 4680.27,194.5 4698.51,212.74 4738.82,212.74 4741.97,215.89 4764.4,215.89 4765.44,216.93 4818.05,216.93 4824.27,210.71 v3(4872.95,210.71) ; v1(15427,148.08) 15429.05,150.13 15445.84,150.13 15448.69,152.98 15575.7,152.98 15588.25,140.43 15761.28,140.43 15777.77,156.93 16089.88,156.93 16106.54,140.27 16372.52,140.27 16391.25,159 v1(17480.58,159)
  Bottom_Signal_Layer w6: v3(4872.95,210.71) 4873.99,210.71 4880.96,203.74 4888.93,203.74 4910.05,182.63 4968.48,182.63 4993.59,157.52 5024.08,157.52 5066.14,115.46 5338.98,115.46 v1@5362.71,91.73
  Bottom Layer w6: v3(4861.61,272.85) 4861.61,271.81 4870.52,262.89 v3@4870.52,214.18 ; v1@5364.02,93.05 5381.55,93.05 5448.4,159.9 5750.97,159.9 5786.1,124.76 6242.41,124.76 6296.47,178.83 7352.67,178.83 7413.14,118.35 7706.46,118.35 7727.87,96.95 7885.58,96.95 7906.92,118.29 8012.9,118.29 8062.31,167.7 8139.75,167.7 8151.65,179.61 8151.65,197.56 8179.03,224.94 8243.66,224.94 8256.87,238.16 8400.05,238.16 8432.84,205.37 8436.13,205.37 8485.91,155.6 8789.21,155.6 8807.68,174.06 8853.47,174.06 8902.07,125.47 9131.18,125.47 9131.57,125.86 9178.59,125.86 9210.45,157.72 9274.64,157.72 9288.4,143.96 9299.91,143.96 9327.68,116.2 9439.57,116.2 9451.48,128.1 9501.51,128.1 9529.07,155.66 9726.33,155.66 v1(9753.86,183.19)
  other v1: 5362.71,91.54
RS485_CTS: R22.1 R30.2 U2.B8 U8.31 | length 16548.9
  Top Layer w6: R30.2@1872.63,100.8 1956.72,100.8 v1@1962.21,106.28 ; v1(1967.7,111.77) 1991.93,136 R22.1@2011.67,136 ; v2(3317.83,150) 3408.54,150 3417.23,141.31 3699.65,141.31 3729.31,111.65 4401.41,111.65 4463.5,49.56 4888.21,49.56 v3(4899.28,60.63) ; U2.B8@4886.34,298.43 4886.53,298.43 4896.38,288.58 v3(4896.57,288.58) ; v1(17655.84,139.76) 17658.46,142.38 17658.46,152.38 17674.09,168.01 U8.31@17701.16,168.01
  Top_Signal_Layer w6: v1(1967.7,111.77) 2037.49,41.98 2740.41,41.98 2819.31,120.87 3238.81,120.87 3267.94,150 v2(3317.83,150) ; v1(16458.75,128.35) 16479.53,128.35 16522.37,85.51 17601.58,85.51 v1(17655.84,139.76)
  Bottom_Signal_Layer w6: v3(4899.28,60.63) 4914.99,44.92 4995.9,44.92 v3(5002.46,51.48)
  Bottom Layer w6: v3(4896.57,288.58) 4896.57,267.59 4894.35,265.37 4894.35,225.71 4898.68,221.37 4898.68,167.61 4898.24,167.16 4898.24,153.19 4881.88,136.83 4881.88,125.38 4899.28,107.98 v3(4899.28,60.63) ; v3(5002.46,51.48) 5023.02,51.48 5069.91,98.37 5248.28,98.37 5301.68,44.98 5628.43,44.98 5673.9,90.45 6753.64,90.45 6778.68,65.41 7060.09,65.41 7079.12,84.44 7374.05,84.44 7413.61,44.89 7906.53,44.89 7922.12,60.49 8155.46,60.49 8180.66,85.69 8294.56,85.69 8312.62,103.75 8455.28,103.75 8494.38,64.65 8565.36,64.65 8583.23,82.51 8780.17,82.51 8794.59,68.09 9149.37,68.09 9153.71,72.43 9454.53,72.43 9466.88,84.78 9673.15,84.78 9690.95,66.98 9734.54,66.98 9760.41,92.85 11037.33,92.85 11049.02,81.16 11685.94,81.16 11701.25,96.46 15434.41,96.46 15488.22,150.28 15787.47,150.28 15800.09,137.65 16138.78,137.65 16147.72,128.71 16403.46,128.71 16412.01,137.25 16429.07,137.25 16437.98,128.35 v1(16458.75,128.35)